# Altium PCB HIVE_BOARD_PCB ASCII REV Project_PCB_Rev.Project_SCH_Rev.PcbDoc (part 4 of 9) (continued)
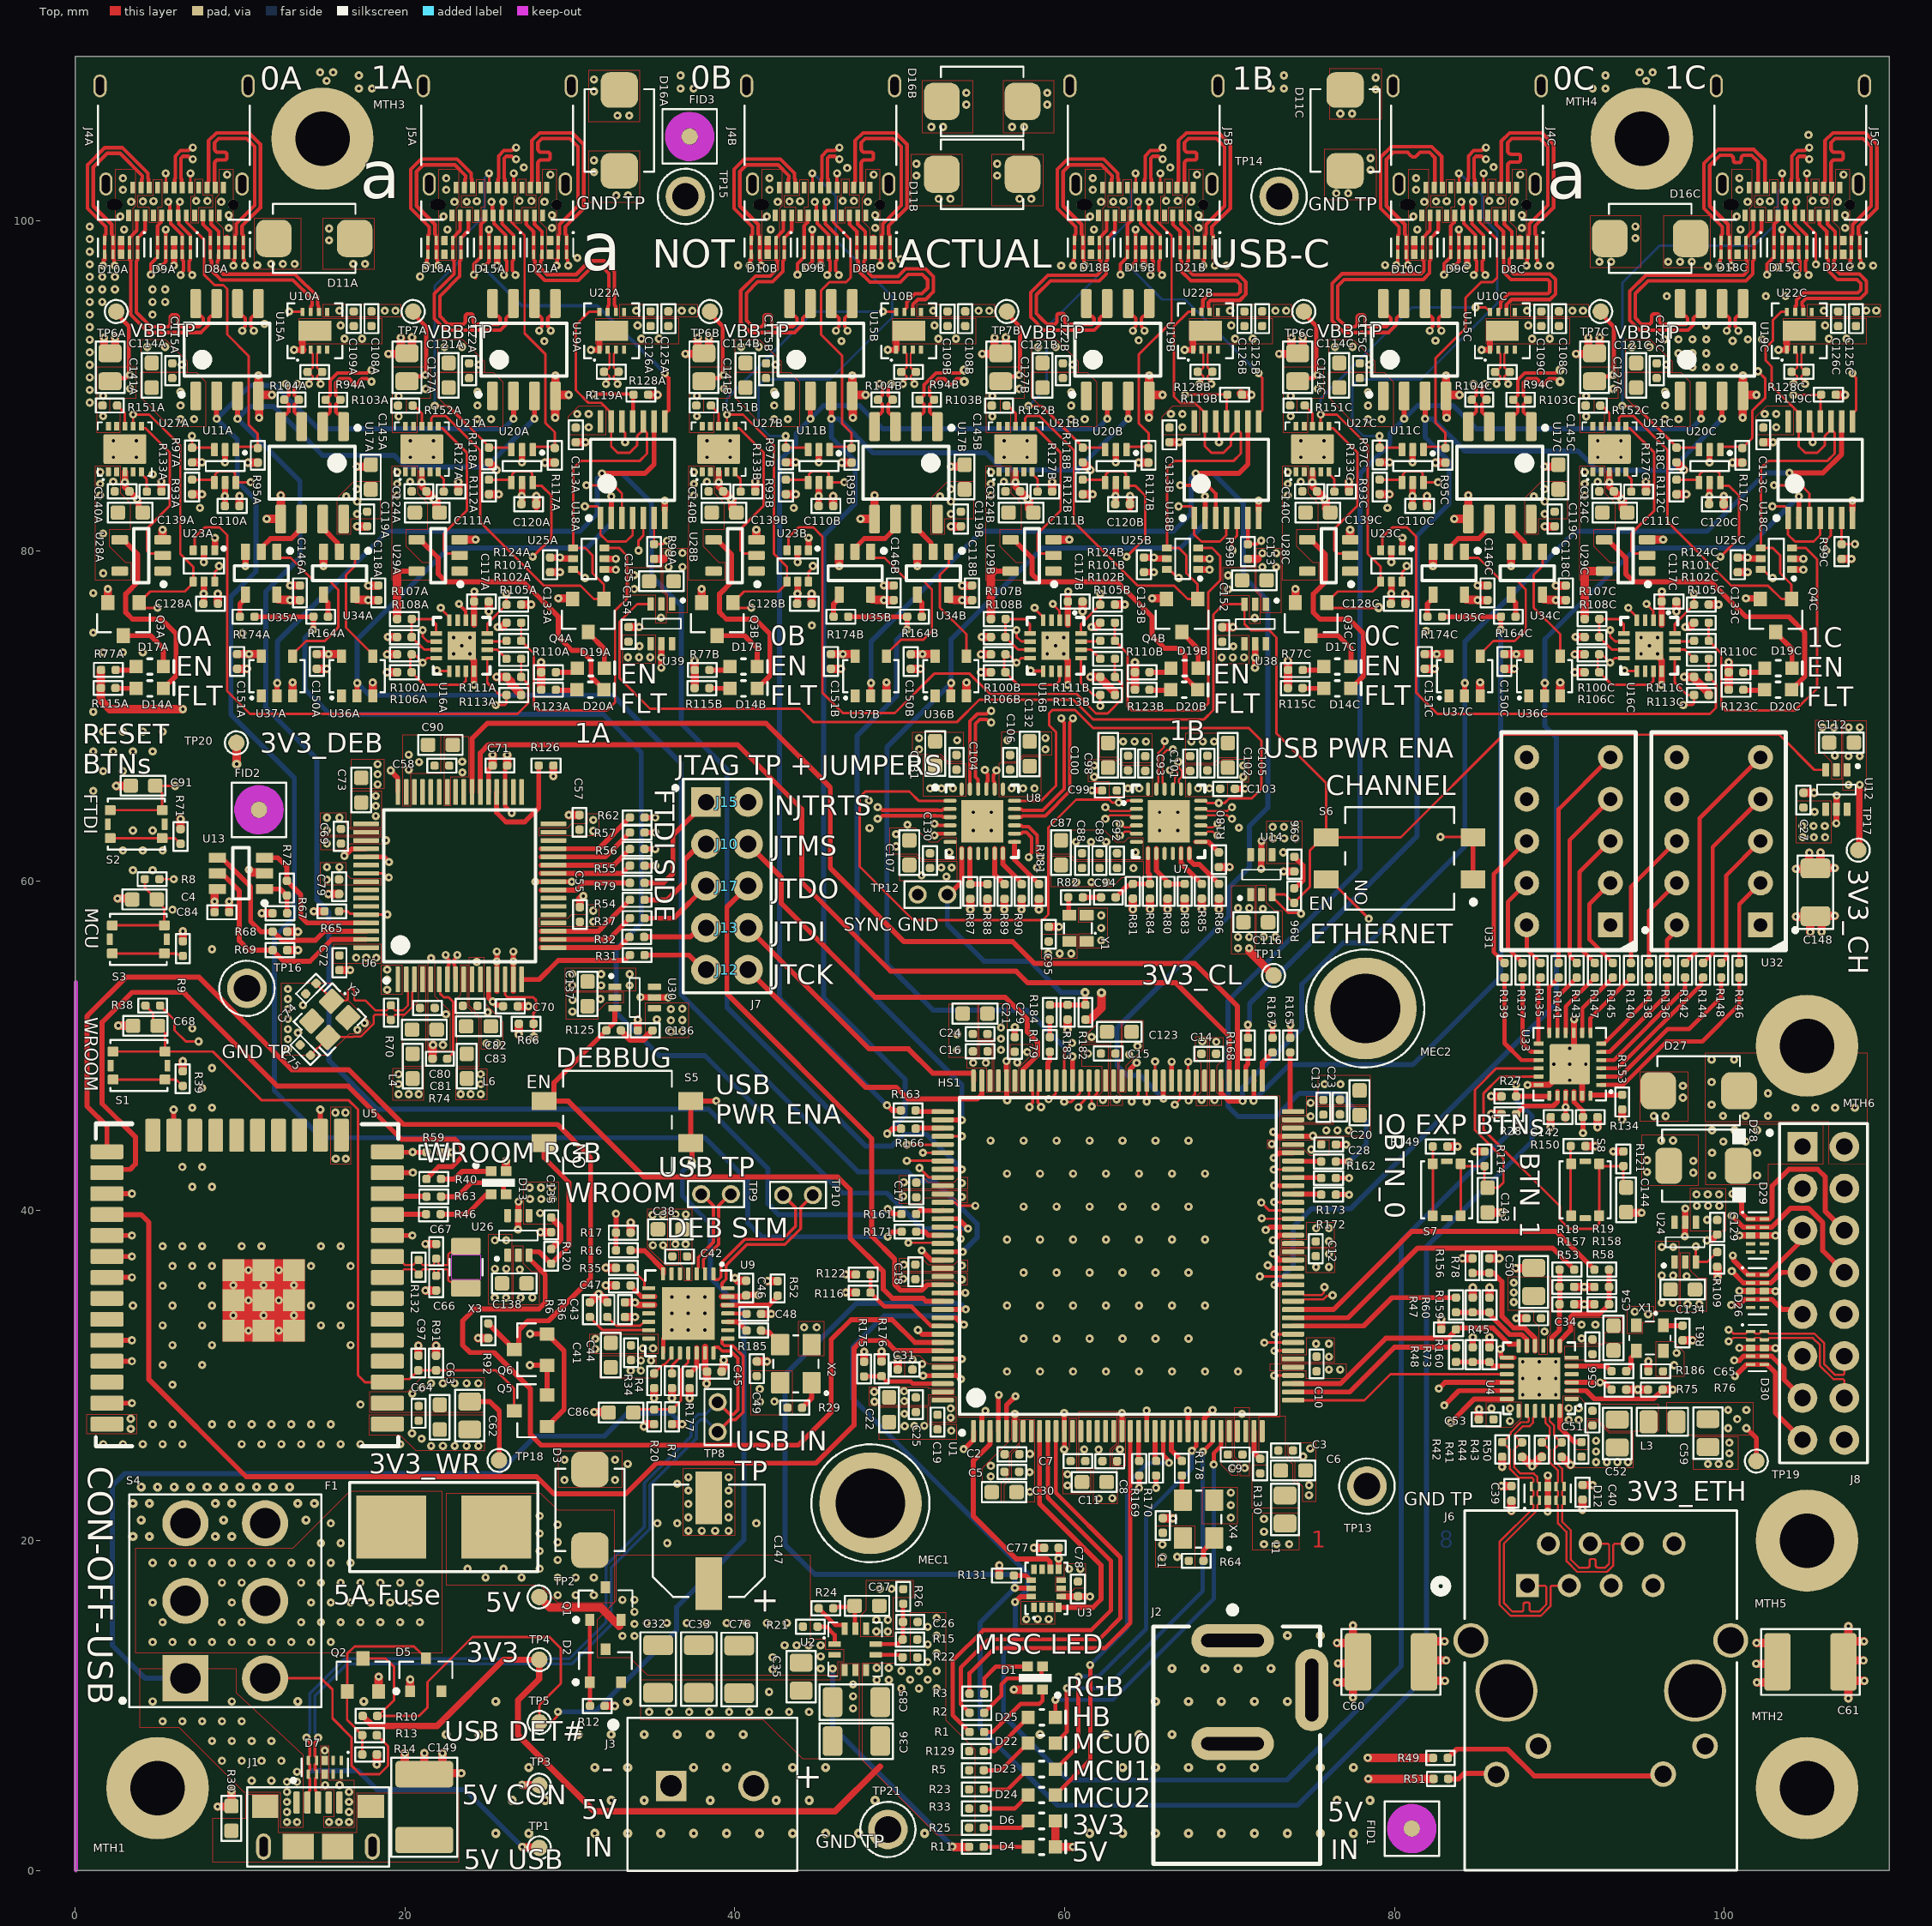
[diagram p0: Top view]
## Nets (pads, with @x,y where several pads share a name; then routed paths per layer and width w, separated by ;. In a path a pad name is that pad's centre, name@x,y a point inside that pad or via, vN(x,y) a via of type N, cw(c..) or ccw(c..) an arc to the next point about the centre after c; other vN are vias at no path point) (continued)
  Signal_1 w0.127: v1(82.837,93.359) 82.837,93.402 82.619,93.62 82.619,93.764 82.693,93.838 85.796,93.838 88.484,96.525 88.484,97.044 88.701,97.262 v1(88.701,97.305)
BB_SPI_CLK_0C_P: D8C.2 D8C.9 J4C.B11 U15C.6 | length 24.8
  Top w0.216: U15C.6@81.851,95.002 81.851,94.452 82.068,94.235 82.188,94.235 82.314,94.109 82.314,93.629 82.135,93.449 v1(82.135,93.359) ; J4C.B11@86.9,102.04 86.858,102.082 86.858,102.793 86.858,103.371 cw(c87.074,103.371) 87.074,103.587 87.493,103.587 ccw(c87.493,103.728) 87.634,103.728 87.634,103.916 ccw(c87.493,103.916) 87.493,104.057 87.074,104.057 cw(c87.074,104.273) 86.858,104.273 86.858,104.755 87.116,105.012 88.799,105.012 89.297,104.514 89.297,100.958 88.179,99.839 88.179,99.219 88.108,99.148 D8C.2@88.108,98.826 ; v1(87.999,97.305) 88.029,97.335 88.029,97.655 88.1,97.725 D8C.9@88.1,97.982 D8C.2@88.1,98.817
  Signal_1 w0.127: v1(82.135,93.359) 82.135,93.402 82.352,93.62 82.352,93.874 82.583,94.105 85.686,94.105 88.217,96.636 88.217,97.044 87.999,97.262 v1(87.999,97.305)
BB_SPI_CLK_1A_N: D21A.1 D21A.10 J5A.B10 U19A.5 | length 20.9
  Top w0.216: J5A.B10@27.6,102.04 27.642,102.082 27.642,102.357 27.693,102.408 27.693,104.875 28.173,105.355 30.141,105.355 30.84,104.656 30.84,100.775 29.721,99.656 29.721,99.219 29.8,99.14 D21A.1@29.8,98.817 D21A.10@29.8,97.982 29.8,97.725 29.871,97.654 29.871,97.335 v1(29.901,97.305) ; v1(28.837,93.359) 28.837,93.449 28.657,93.629 28.657,94.109 28.784,94.235 28.904,94.235 29.121,94.452 U19A.5@29.121,95.002
  Signal_1 w0.127: v1(28.837,93.359) 28.837,93.402 28.619,93.62 28.619,94.03 29.683,95.094 29.683,97.044 29.901,97.262 v1(29.901,97.305)
BB_SPI_CLK_1A_P: D21A.2 D21A.9 J5A.B11 U19A.6 | length 20.9
  Top w0.216: U19A.6@27.851,95.002 27.851,94.452 28.068,94.235 28.188,94.235 28.314,94.109 28.314,93.629 28.135,93.449 v1(28.135,93.359) ; J5A.B11@28.1,102.04 28.058,102.082 28.058,102.912 28.058,103.49 cw(c28.274,103.49) 28.274,103.705 28.659,103.705 ccw(c28.659,103.846) 28.8,103.846 28.8,104.034 ccw(c28.659,104.034) 28.659,104.175 28.274,104.175 cw(c28.274,104.391) 28.058,104.391 28.058,104.754 28.315,105.012 29.999,105.012 30.497,104.514 30.497,100.917 29.379,99.798 29.379,99.219 29.308,99.148 D21A.2@29.308,98.825 ; v1(29.199,97.305) 29.229,97.335 29.229,97.654 29.3,97.725 D21A.9@29.3,97.982 D21A.2@29.3,98.817
  Signal_1 w0.127: v1(28.135,93.359) 28.135,93.402 28.352,93.62 28.352,94.141 29.417,95.205 29.417,97.044 29.199,97.262 v1(29.199,97.305)
BB_SPI_CLK_1B_N: D21B.1 D21B.10 J5B.B10 U19B.5 | length 23
  Top w0.216: v1(64.837,93.359) 64.837,93.449 64.657,93.629 64.657,94.109 64.784,94.235 64.904,94.235 65.121,94.452 U19B.5@65.121,95.002 ; J5B.B10@66.8,102.04 66.842,102.082 66.842,102.357 66.893,102.409 66.893,104.875 67.374,105.355 69.341,105.355 70.04,104.656 70.04,100.776 68.922,99.657 68.922,99.219 69,99.141 69,97.726 69.071,97.655 69.071,97.336 v1(69.101,97.305)
  Signal_1 w0.127: v1(64.837,93.359) 64.837,93.402 64.619,93.62 64.619,93.764 66.07,95.215 67.309,95.215 68.883,96.79 68.883,97.044 69.101,97.262 v1(69.101,97.305)
BB_SPI_CLK_1B_P: D21B.2 D21B.9 J5B.B11 U19B.6 | length 23
  Top w0.216: U19B.6@63.851,95.002 63.851,94.452 64.068,94.235 64.188,94.235 64.314,94.109 64.314,93.629 64.135,93.449 v1(64.135,93.359) ; J5B.B11@67.3,102.04 67.258,102.082 67.258,102.912 67.258,103.49 cw(c67.474,103.49) 67.474,103.706 67.859,103.706 ccw(c67.859,103.847) 68,103.847 68,104.035 ccw(c67.859,104.035) 67.859,104.176 67.474,104.176 cw(c67.474,104.392) 67.258,104.392 67.258,104.755 67.516,105.012 69.199,105.012 69.697,104.514 69.697,100.918 68.579,99.799 68.579,99.219 68.508,99.149 D21B.2@68.508,98.826 ; v1(68.399,97.305) 68.429,97.336 68.429,97.655 68.5,97.726 D21B.2@68.5,98.817
  Signal_1 w0.127: v1(64.135,93.359) 64.135,93.402 64.352,93.62 64.352,93.874 65.96,95.482 67.198,95.482 68.617,96.9 68.617,97.044 68.399,97.262 v1(68.399,97.305)
BB_SPI_CLK_1C_N: D21C.1 D21C.10 J5C.B10 U19C.5 | length 26.2
  Top w0.216: v1(100.837,93.359) 100.837,93.449 100.657,93.629 100.657,94.109 100.784,94.235 100.904,94.235 101.121,94.452 U19C.5@101.121,95.002 ; J5C.B10@106,102.04 106.042,102.082 106.042,102.357 106.093,102.408 106.093,104.875 106.574,105.355 108.541,105.355 109.24,104.656 109.24,100.775 108.122,99.657 108.122,99.219 108.2,99.141 108.2,97.725 108.271,97.655 108.271,97.335 v1(108.301,97.305)
  Signal_1 w0.127: v1(100.837,93.359) 100.837,93.402 100.619,93.62 100.619,93.764 100.693,93.838 103.824,93.838 106.422,96.436 107.73,96.436 108.084,96.79 108.084,97.044 108.301,97.262 v1(108.301,97.305)
BB_SPI_CLK_1C_P: D21C.2 D21C.9 J5C.B11 U19C.6 | length 26.2
  Top w0.216: U19C.6@99.851,95.002 99.851,94.452 100.068,94.235 100.188,94.235 100.314,94.109 100.314,93.629 100.135,93.449 v1(100.135,93.359) ; J5C.B11@106.5,102.04 106.458,102.082 106.458,102.912 106.458,103.49 cw(c106.674,103.49) 106.674,103.706 107.059,103.706 ccw(c107.059,103.847) 107.2,103.847 107.2,104.034 ccw(c107.059,104.034) 107.059,104.175 106.674,104.175 cw(c106.674,104.391) 106.458,104.391 106.458,104.755 106.716,105.012 108.399,105.012 108.898,104.514 108.898,100.917 107.779,99.799 107.779,99.219 107.708,99.148 D21C.2@107.708,98.826 ; v1(107.599,97.305) 107.629,97.335 107.629,97.655 107.7,97.725 D21C.2@107.7,98.817
  Signal_1 w0.127: v1(100.135,93.359) 100.135,93.402 100.352,93.62 100.352,93.874 100.583,94.105 103.713,94.105 106.311,96.703 107.62,96.703 107.817,96.9 107.817,97.044 107.599,97.262 v1(107.599,97.305)
BB_SPI_MISO_0A_N: D9A.2 D9A.9 J4A.A7 J4A.B7 R104A.1 U17A.4 | length 33.5
  Top w0.216: v1(5.649,101.168) 5.649,101.078 5.75,100.977 J4A.A7@5.75,100.34 5.79,100.299 5.79,99.854 6.492,99.153 6.492,98.825 D9A.2@6.5,98.817 D9A.9@6.5,97.982 6.508,97.975 6.508,97.652 6.578,97.581 6.578,97.234 6.578,96.999 6.399,96.82 v1(6.399,96.729) ; J4A.B7@6.5,102.04 6.458,102.082 6.458,102.54 6.421,102.576 6.421,103.575 6.416,103.58 6.416,103.808 6.543,103.934 6.872,103.934 7.051,103.754 v1(7.142,103.754) ; U17A.4@12.47,87.542 12.47,88.092 12.687,88.309 12.807,88.309 12.954,88.456 12.954,88.902 R104A.1@12.681,89.174 12.954,89.447 12.954,89.867 12.775,90.046 v1(12.775,90.137)
  Signal_1 w0.127: v1(5.649,101.168) 5.649,101.211 5.866,101.429 5.866,102.221 6.058,102.413 6.058,106.637 6.343,106.922 7.917,106.922 8.166,106.673 8.166,104.481 7.657,103.972 7.403,103.972 7.185,103.754 v1(7.142,103.754) ; v1(6.399,96.729) 6.399,96.686 6.616,96.468 6.616,93.669 8.129,92.157 11.413,92.157 12.993,90.577 12.993,90.423 12.775,90.205 v1(12.775,90.137)
BB_SPI_MISO_0A_P: D9A.1 D9A.10 J4A.A6 J4A.B6 R104A.2 U17A.3 | length 33.5
  Top w0.216: J4A.B6@6,102.04 6.042,102.082 6.042,102.54 6.078,102.576 6.078,103.294 6.074,103.299 6.074,103.95 6.401,104.277 6.872,104.277 7.051,104.457 v1(7.142,104.457) ; v1(6.351,101.168) 6.351,101.078 6.25,100.977 J4A.A6@6.25,100.34 6.291,100.298 6.291,99.838 7,99.13 D9A.1@7,98.817 D9A.10@7,97.982 6.992,97.975 6.992,97.652 6.921,97.581 6.921,97.376 6.921,96.999 v1@7.101,96.82 ; v1(13.477,90.137) 13.477,90.046 13.297,89.867 13.297,89.447 13.57,89.174 13.297,88.902 13.297,88.435 13.424,88.309 13.523,88.309 13.74,88.092 U17A.3@13.74,87.542
  Signal_1 w0.127: v1(6.351,101.168) 6.351,101.211 6.133,101.429 6.133,102.111 6.325,102.302 6.325,106.527 6.453,106.656 7.806,106.656 7.899,106.563 7.899,106.015 7.899,105.571 cw(c7.772,105.571) 7.772,105.444 7.471,105.444 ccw(c7.471,105.329) 7.357,105.329 7.357,105.177 ccw(c7.471,105.177) 7.471,105.063 7.772,105.063 cw(c7.772,104.936) 7.899,104.936 7.899,104.591 7.547,104.239 7.403,104.239 7.185,104.457 v1(7.142,104.457) ; v1(7.101,96.729) 7.101,96.686 6.883,96.468 6.883,93.779 8.239,92.423 11.524,92.423 13.259,90.688 13.259,90.398 13.477,90.18 v1(13.477,90.137)
BB_SPI_MISO_0B_N: D9B.2 D9B.9 J4B.A7 J4B.B7 R104B.1 U17B.4 | length 31.2
  Top w0.216: v1(44.849,101.169) 44.849,101.078 44.95,100.977 J4B.A7@44.95,100.34 44.991,100.299 44.991,99.855 45.692,99.153 45.692,98.826 D9B.2@45.7,98.817 45.7,97.983 45.708,97.975 45.708,97.652 45.778,97.581 45.778,97.234 45.778,97 45.599,96.82 v1(45.599,96.729) ; J4B.B7@45.7,102.04 45.658,102.082 45.658,102.54 45.621,102.577 45.621,103.576 45.617,103.58 45.617,103.808 45.743,103.934 46.072,103.934 46.251,103.755 v1(46.342,103.755) ; U17B.4@48.47,87.542 48.47,88.092 48.687,88.309 48.807,88.309 48.954,88.456 48.954,88.902 R104B.1@48.681,89.174 48.954,89.447 48.954,89.867 48.775,90.046 v1(48.775,90.137)
  Signal_1 w0.127: v1(44.849,101.169) 44.849,101.212 45.067,101.429 45.067,102.222 45.258,102.413 45.258,106.133 45.754,106.629 46.863,106.629 47.366,106.126 47.366,104.481 46.857,103.973 46.603,103.973 46.385,103.755 v1(46.342,103.755) ; v1(45.599,96.729) 45.599,96.686 45.816,96.469 45.816,95.567 44.831,94.581 44.831,93.152 46.03,91.953 47.617,91.953 48.993,90.577 48.993,90.423 48.775,90.205 v1(48.775,90.137)
BB_SPI_MISO_0B_P: D9B.1 D9B.10 J4B.A6 J4B.B6 R104B.2 U17B.3 | length 31.2
  Top w0.216: J4B.B6@45.2,102.04 45.242,102.082 45.242,102.54 45.278,102.577 45.278,103.294 45.274,103.299 45.274,103.95 45.601,104.277 46.072,104.277 46.251,104.457 v1(46.342,104.457) ; v1(45.551,101.169) 45.551,101.078 45.45,100.977 J4B.A6@45.45,100.34 45.492,100.298 45.492,99.838 46.2,99.13 D9B.1@46.2,98.817 46.2,97.983 46.192,97.975 46.192,97.652 46.121,97.581 46.121,97.377 46.121,97 v1@46.301,96.82 ; v1(49.477,90.137) 49.477,90.046 49.297,89.867 49.297,89.447 R104B.2@49.57,89.174 49.297,88.902 49.297,88.435 49.424,88.309 49.523,88.309 49.74,88.092 U17B.3@49.74,87.542
  Signal_1 w0.127: v1(45.551,101.169) 45.551,101.212 45.333,101.429 45.333,102.111 45.525,102.303 45.525,106.023 45.865,106.362 46.753,106.362 47.1,106.015 47.1,105.571 cw(c46.973,105.571) 46.973,105.444 46.671,105.444 ccw(c46.671,105.33) 46.557,105.33 46.557,105.177 ccw(c46.671,105.177) 46.671,105.063 46.973,105.063 cw(c46.973,104.936) 47.1,104.936 47.1,104.592 46.747,104.239 46.603,104.239 46.385,104.457 v1(46.342,104.457) ; v1(46.301,96.729) 46.301,96.686 46.083,96.469 46.083,95.456 45.098,94.471 45.098,93.262 46.14,92.219 47.728,92.219 49.259,90.688 49.259,90.423 49.477,90.205 v1(49.477,90.137)
BB_SPI_MISO_0C_N: D9C.2 D9C.9 J4C.A7 J4C.B7 R104C.1 U17C.4 | length 34.5
  Top w0.216: v1(84.049,101.168) 84.049,101.078 84.15,100.977 J4C.A7@84.15,100.34 84.191,100.299 84.191,99.854 84.892,99.153 84.892,98.826 D9C.2@84.9,98.817 D9C.9@84.9,97.982 84.908,97.975 84.908,97.652 84.978,97.581 84.978,97.234 84.978,96.999 84.799,96.82 v1(84.799,96.729) ; U17C.4@84.47,87.542 84.47,88.092 84.687,88.309 84.807,88.309 84.954,88.456 84.954,88.902 R104C.1@84.681,89.174 84.954,89.447 84.954,89.867 84.775,90.046 v1(84.775,90.137) ; J4C.B7@84.9,102.04 84.858,102.082 84.858,102.54 84.821,102.576 84.821,103.575 84.817,103.58 84.817,103.808 84.943,103.934 85.272,103.934 85.452,103.754 v1(85.542,103.754)
  Signal_1 w0.127: v1(84.049,101.168) 84.049,101.211 84.267,101.429 84.267,102.221 84.458,102.413 84.458,106.637 84.743,106.922 86.317,106.922 86.566,106.673 86.566,104.481 86.058,103.972 85.803,103.972 85.585,103.754 v1(85.542,103.754) ; v1(84.775,90.137) 84.775,90.205 84.993,90.423 84.993,90.577 83.744,91.826 81.897,91.826 81.121,92.602 81.121,94.503 82.126,95.508 84.2,95.508 85.017,96.324 85.017,96.468 84.799,96.686 v1(84.799,96.729)
BB_SPI_MISO_0C_P: D9C.1 D9C.10 J4C.A6 J4C.B6 R104C.2 U17C.3 | length 34.5
  Top w0.216: J4C.B6@84.4,102.04 84.442,102.082 84.442,102.54 84.479,102.576 84.479,103.294 84.474,103.299 84.474,103.95 84.801,104.277 85.272,104.277 85.452,104.457 v1(85.542,104.457) ; v1(84.751,101.168) 84.751,101.078 84.65,100.977 J4C.A6@84.65,100.34 84.692,100.298 84.692,99.838 85.4,99.13 D9C.10@85.4,97.982 85.392,97.975 85.392,97.652 85.321,97.581 85.321,97.376 85.321,96.999 v1@85.501,96.82 ; v1(85.477,90.137) 85.477,90.046 85.297,89.867 85.297,89.447 R104C.2@85.57,89.174 85.297,88.902 85.297,88.435 85.424,88.309 85.523,88.309 85.74,88.092 U17C.3@85.74,87.542
  Signal_1 w0.127: v1(84.751,101.168) 84.751,101.211 84.533,101.429 84.533,102.111 84.725,102.302 84.725,106.527 84.854,106.656 86.207,106.656 86.3,106.563 86.3,106.116 86.3,105.672 cw(c86.173,105.672) 86.173,105.545 85.871,105.545 ccw(c85.871,105.431) 85.757,105.431 85.757,105.278 ccw(c85.871,105.278) 85.871,105.164 86.173,105.164 cw(c86.173,105.037) 86.3,105.037 86.3,104.592 85.947,104.239 85.803,104.239 85.585,104.457 v1(85.542,104.457) ; v1(85.477,90.137) 85.477,90.205 85.259,90.423 85.259,90.688 83.855,92.092 82.008,92.092 81.388,92.712 81.388,94.392 82.237,95.241 84.311,95.241 85.283,96.214 85.283,96.468 85.501,96.686 v1(85.501,96.729)
BB_SPI_MISO_1A_N: D15A.2 D15A.9 J5A.A7 J5A.B7 R103A.2 U17A.1 | length 40.9
  Top w0.216: R103A.2@16.085,89.165 15.816,88.896 15.816,88.435 15.943,88.309 16.063,88.309 16.28,88.092 U17A.1@16.28,87.542 ; R103A.2@16.085,89.169 15.812,89.441 15.812,90.212 16.051,90.451 16.628,90.451 16.769,90.31 16.769,90.243 16.91,90.102 17.098,90.102 17.239,90.243 17.239,90.31 17.38,90.451 17.705,90.451 17.884,90.271 v1(17.975,90.271) ; v1(25.249,101.168) 25.308,101.109 25.308,100.382 J5A.A7@25.35,100.34 J5A.A7@25.39,100.299 ; J5A.A7@25.392,100.298 J5A.A7@25.39,100.299 ; v1(25.999,96.729) 25.999,96.82 26.178,96.999 26.178,97.234 26.178,97.581 26.108,97.652 26.108,97.975 D15A.9@26.1,97.982 ; 26.1,97.66 D15A.9@26.1,97.982 ; J5A.B7@26.1,102.04 26.058,102.082 26.058,102.54 26.021,102.576 26.021,103.575 26.016,103.58 26.016,103.808 26.143,103.934 26.472,103.934 26.651,103.754 v1(26.742,103.754) ; J5A.A7@25.39,100.299 25.39,99.854 26.092,99.153 26.092,98.825 D15A.2@26.1,98.817 D15A.9@26.1,97.982
  Signal_1 w0.127: v1(17.975,90.271) 18.043,90.271 18.261,90.489 19.427,90.489 21.2,92.263 21.2,94.007 20.375,94.833 20.375,97.369 21.068,98.062 25.637,98.062 26.216,97.483 26.216,96.99 25.999,96.772 v1(25.999,96.729) ; v1(25.249,101.168) 25.249,101.211 25.466,101.429 25.466,102.221 25.658,102.413 25.658,105.987 26.219,106.548 27.345,106.548 27.766,106.126 27.766,104.481 27.257,103.972 27.003,103.972 26.785,103.754 v1(26.742,103.754)
BB_SPI_MISO_1A_P: D15A.1 D15A.10 J5A.A6 J5A.B6 R103A.1 U17A.2 | length 40.9
  Top w0.216: U17A.2@15.01,87.542 15.01,88.092 15.227,88.309 15.347,88.309 15.473,88.435 15.473,88.892 R103A.1@15.196,89.169 15.469,89.441 15.469,90.354 15.909,90.794 17.705,90.794 17.884,90.973 v1(17.975,90.973) ; J5A.B6@25.6,102.04 25.642,102.082 25.642,102.54 25.678,102.576 25.678,103.294 25.674,103.299 25.674,103.95 26.001,104.277 26.472,104.277 26.651,104.457 v1(26.742,104.457) ; v1(25.951,101.168) 25.892,101.109 25.892,100.382 J5A.A6@25.85,100.34 25.891,100.298 25.891,99.838 26.6,99.13 D15A.10@26.6,97.982 ; 26.6,97.652 D15A.10@26.6,97.982 ; v1@26.701,96.82 26.521,96.999 26.521,97.376 26.521,97.581 26.592,97.652 26.592,97.975 D15A.10@26.6,97.982
  Signal_1 w0.127: v1(17.975,90.973) 18.043,90.973 18.261,90.756 19.316,90.756 20.934,92.373 20.934,93.897 20.108,94.722 20.108,97.479 20.958,98.329 25.747,98.329 26.483,97.593 26.483,96.99 26.701,96.772 v1(26.701,96.729) ; v1(25.951,101.168) 25.951,101.211 25.733,101.429 25.733,102.111 25.925,102.302 25.925,105.876 26.329,106.281 27.234,106.281 27.5,106.016 27.5,105.571 27.385,105.457 27.384,105.457 27.269,105.343 27.269,105.19 27.384,105.076 27.385,105.076 27.5,104.962 27.5,104.591 27.147,104.239 27.003,104.239 26.785,104.457 v1(26.742,104.457)
BB_SPI_MISO_1B_N: D15B.2 D15B.9 J5B.A7 J5B.B7 R103B.2 U17B.1 | length 42.5
  Top w0.216: R103B.2@52.085,89.165 51.816,88.896 51.816,88.435 51.943,88.309 52.063,88.309 52.28,88.092 U17B.1@52.28,87.542 ; R103B.2@52.085,89.169 51.812,89.441 51.812,89.932 52.125,90.245 52.331,90.451 52.703,90.451 52.844,90.31 52.844,90.243 52.985,90.102 53.173,90.102 53.314,90.243 53.314,90.31 53.455,90.451 53.644,90.451 53.824,90.271 v2(53.914,90.271) ; v1(64.449,101.169) 64.508,101.109 64.508,100.382 J5B.A7@64.55,100.34 J5B.A7@64.591,100.299 ; J5B.A7@64.592,100.298 J5B.A7@64.591,100.299 ; v1(65.199,96.729) 65.199,96.82 65.378,97 65.378,97.234 65.378,97.581 65.308,97.652 65.308,97.975 D15B.9@65.3,97.983 ; 65.3,97.66 D15B.9@65.3,97.983 ; J5B.B7@65.3,102.04 65.258,102.082 65.258,102.54 65.221,102.577 65.221,103.576 65.217,103.58 65.217,103.808 65.343,103.934 65.672,103.934 65.851,103.755 v1(65.942,103.755) ; J5B.A7@64.591,100.299 64.591,99.855 65.292,99.153 65.292,98.826 D15B.2@65.3,98.817 D15B.9@65.3,97.983
  Signal_1 w0.127: v2(53.914,90.271) 53.982,90.271 54.2,90.489 54.465,90.489 55.728,90.489 57.367,92.128 57.367,95.659 60.458,98.75 64.324,98.75 65.416,97.658 65.416,96.99 65.199,96.773 v1(65.199,96.729) ; v1(64.449,101.169) 64.449,101.212 64.667,101.429 64.667,102.222 64.858,102.413 64.858,105.987 65.419,106.548 66.545,106.548 66.966,106.127 66.966,104.481 66.457,103.973 66.203,103.973 65.985,103.755 v1(65.942,103.755)
BB_SPI_MISO_1B_P: D15B.1 D15B.10 J5B.A6 J5B.B6 R103B.1 U17B.2 | length 42.5
  Top w0.216: U17B.2@51.01,87.542 51.01,88.092 51.227,88.309 51.347,88.309 51.473,88.435 51.473,88.892 R103B.1@51.196,89.169 51.469,89.441 51.469,90.074 52.189,90.794 53.644,90.794 53.824,90.973 v2(53.914,90.973) ; J5B.B6@64.8,102.04 64.842,102.082 64.842,102.54 64.878,102.577 64.878,103.294 64.874,103.299 64.874,103.95 65.201,104.277 65.672,104.277 65.851,104.457 v1(65.942,104.457) ; v1(65.151,101.169) 65.092,101.109 65.092,100.382 J5B.A6@65.05,100.34 65.092,100.298 65.092,99.838 65.8,99.13 D15B.10@65.8,97.983 ; 65.8,97.653 D15B.10@65.8,97.983 ; v1@65.901,96.82 65.721,97 65.721,97.377 65.721,97.581 65.792,97.652 65.792,97.975 D15B.10@65.8,97.983
  Signal_1 w0.127: v2(53.914,90.973) 53.982,90.973 54.2,90.756 55.617,90.756 57.1,92.238 57.1,95.769 60.348,99.017 64.435,99.017 65.683,97.768 65.683,96.99 65.901,96.773 v1(65.901,96.729) ; v1(65.151,101.169) 65.151,101.212 64.933,101.429 64.933,102.111 65.125,102.303 65.125,105.877 65.529,106.282 66.434,106.282 66.7,106.016 66.7,105.572 66.585,105.457 66.584,105.457 66.47,105.343 66.47,105.191 66.584,105.076 66.585,105.076 66.7,104.962 66.7,104.592 66.347,104.239 66.203,104.239 65.985,104.457 v1(65.942,104.457)
BB_SPI_MISO_1C_N: D15C.2 D15C.9 J5C.A7 J5C.B7 R103C.2 U17C.1 | length 45.9
  Top w0.216: R103C.2@88.085,89.165 87.816,88.896 87.816,88.435 87.943,88.309 88.063,88.309 88.28,88.092 U17C.1@88.28,87.542 ; R103C.2@88.085,89.169 87.812,89.441 87.812,90.224 88.039,90.451 88.617,90.451 88.758,90.31 88.758,90.243 88.899,90.102 89.086,90.102 89.227,90.243 89.227,90.31 89.368,90.451 89.481,90.451 89.77,90.451 89.95,90.271 v2(90.041,90.271) ; v1(103.649,101.168) 103.708,101.109 103.708,100.382 J5C.A7@103.75,100.34 J5C.A7@103.791,100.299 ; J5C.A7@103.792,100.298 J5C.A7@103.791,100.299 ; v1(104.399,96.729) 104.399,96.82 104.578,96.999 104.578,97.234 104.578,97.581 104.508,97.652 104.508,97.975 D15C.9@104.5,97.982 ; 104.5,97.66 D15C.9@104.5,97.982 ; J5C.B7@104.5,102.04 104.458,102.082 104.458,102.54 104.421,102.576 104.421,103.575 104.417,103.58 104.417,103.808 104.543,103.934 104.872,103.934 105.052,103.754 v1(105.142,103.754) ; J5C.A7@103.791,100.299 103.791,99.854 104.492,99.153 104.492,98.826 D15C.2@104.5,98.817 D15C.9@104.5,97.982
  Signal_1 w0.127: v2(90.041,90.271) 90.109,90.271 90.327,90.489 91.545,90.489 93.531,92.474 93.531,96.249 95.727,98.445 104.084,98.445 104.617,97.912 104.617,96.99 104.399,96.772 v1(104.399,96.729) ; v1(103.649,101.168) 103.649,101.211 103.867,101.429 103.867,102.221 104.058,102.413 104.058,105.987 104.619,106.548 105.745,106.548 106.166,106.126 106.166,104.481 105.658,103.972 105.403,103.972 105.185,103.754 v1(105.142,103.754)
BB_SPI_MISO_1C_P: D15C.1 D15C.10 J5C.A6 J5C.B6 R103C.1 U17C.2 | length 45.9
  Top w0.216: U17C.2@87.01,87.542 87.01,88.092 87.227,88.309 87.347,88.309 87.473,88.435 87.473,88.892 R103C.1@87.196,89.169 87.469,89.441 87.469,90.366 87.897,90.794 89.77,90.794 89.95,90.973 v2(90.041,90.973) ; J5C.B6@104,102.04 104.042,102.082 104.042,102.54 104.079,102.576 104.079,103.294 104.074,103.299 104.074,103.95 104.401,104.277 104.872,104.277 105.052,104.457 v1(105.142,104.457) ; v1(104.351,101.168) 104.292,101.109 104.292,100.382 J5C.A6@104.25,100.34 104.292,100.298 104.292,99.838 105,99.13 D15C.10@105,97.982 ; 105,97.652 D15C.10@105,97.982 ; v1@105.101,96.82 104.921,96.999 104.921,97.376 104.921,97.581 104.992,97.652 104.992,97.975 D15C.10@105,97.982
  Signal_1 w0.127: v2(90.041,90.973) 90.109,90.973 90.327,90.756 91.435,90.756 93.264,92.585 93.264,96.36 95.616,98.712 104.194,98.712 104.883,98.023 104.883,96.99 105.101,96.772 v1(105.101,96.729) ; v1(104.351,101.168) 104.351,101.211 104.133,101.429 104.133,102.111 104.325,102.302 104.325,105.877 104.729,106.281 105.634,106.281 105.9,106.016 105.9,105.571 105.785,105.457 105.784,105.457 105.67,105.343 105.67,105.19 105.784,105.076 105.785,105.076 105.9,104.962 105.9,104.592 105.547,104.239 105.403,104.239 105.185,104.457 v1(105.142,104.457)
BB_SPI_MOSI_0A_N: D10A.1 D10A.10 J4A.A10 U15A.8 | length 13.2
  Top w0.216: J4A.A10@4.25,100.34 4.25,99.434 3.8,98.984 D10A.1@3.8,98.817 D10A.10@3.8,97.982 3.792,97.975 3.792,97.652 3.721,97.581 3.721,94.471 4.6,93.593 4.8,93.593 5.568,93.593 ccw(c5.568,93.809) 5.784,93.809 5.784,94.173 cw(c5.925,94.173) 5.925,94.314 6.113,94.314 cw(c6.113,94.173) 6.254,94.173 6.254,93.809 ccw(c6.47,93.809) 6.47,93.593 7.048,93.593 7.502,93.593 7.774,93.865 7.774,94.109 7.648,94.235 7.528,94.235 7.311,94.452 U15A.8@7.311,95.002
BB_SPI_MOSI_0A_P: D10A.2 D10A.9 J4A.A11 U15A.7 | length 13.2
  Top w0.216: J4A.A11@3.75,100.34 3.75,99.434 3.3,98.984 D10A.2@3.3,98.817 D10A.9@3.3,97.982 3.308,97.975 3.308,97.652 3.379,97.581 3.379,94.329 4.458,93.25 7.644,93.25 8.117,93.723 8.117,94.109 8.244,94.235 8.364,94.235 8.581,94.452 U15A.7@8.581,95.002
BB_SPI_MOSI_0B_N: D10B.1 D10B.10 J4B.A10 U15B.8 | length 13.9
  Top w0.216: U15B.8@43.311,95.002 43.311,94.452 43.528,94.235 43.648,94.235 43.774,94.109 43.774,93.865 43.502,93.593 43.028,93.593 42.45,93.593 cw(c42.45,93.809) 42.234,93.809 42.234,94.173 ccw(c42.093,94.173) 42.093,94.314 41.905,94.314 ccw(c41.905,94.173) 41.764,94.173 41.764,93.809 cw(c41.549,93.809) 41.549,93.593 41.087,93.593 40.701,93.979 40.701,95.632 41.39,96.321 42.289,96.321 42.922,96.953 42.922,97.581 42.992,97.652 42.992,97.975 43,97.983 43,98.984 43.45,99.434 J4B.A10@43.45,100.34
BB_SPI_MOSI_0B_P: D10B.2 D10B.9 J4B.A11 U15B.7 | length 13.9
  Top w0.216: J4B.A11@42.95,100.34 42.95,99.434 42.5,98.984 42.5,97.983 42.508,97.975 42.508,97.652 42.579,97.581 42.579,97.095 42.147,96.663 41.248,96.663 40.358,95.774 40.358,93.837 40.945,93.25 43.644,93.25 44.117,93.723 44.117,94.109 44.244,94.235 44.364,94.235 44.581,94.452 U15B.7@44.581,95.002
BB_SPI_MOSI_0C_N: D10C.1 D10C.10 J4C.A10 U15C.8 | length 17.6
  Top w0.216: U15C.8@79.311,95.002 79.311,94.452 79.528,94.235 79.648,94.235 79.774,94.109 79.774,93.865 79.502,93.593 79.002,93.593 78.425,93.593 cw(c78.425,93.809) 78.209,93.809 78.209,94.173 ccw(c78.068,94.173) 78.068,94.314 77.88,94.314 ccw(c77.88,94.173) 77.739,94.173 77.739,93.809 cw(c77.523,93.809) 77.523,93.593 77.065,93.593 76.562,94.096 76.562,96.075 76.953,96.466 81.74,96.466 82.122,96.848 82.122,97.581 82.192,97.652 82.192,97.975 D10C.10@82.2,97.982 82.2,98.984 82.65,99.434 J4C.A10@82.65,100.34
BB_SPI_MOSI_0C_P: D10C.2 D10C.9 J4C.A11 U15C.7 | length 17.6
  Top w0.216: U15C.7@80.581,95.002 80.581,94.452 80.364,94.235 80.244,94.235 80.117,94.109 80.117,93.723 79.644,93.25 76.923,93.25 76.219,93.954 76.219,96.217 76.811,96.809 81.598,96.809 81.779,96.99 81.779,97.581 81.708,97.652 81.708,97.975 D10C.9@81.7,97.982 81.7,98.984 82.15,99.434 J4C.A11@82.15,100.34
BB_SPI_MOSI_1A_N: D18A.1 D18A.10 J5A.A10 U19A.8 | length 12.9
  Top w0.216: D18A.1@23.392,98.825 D18A.1@23.4,98.817 D18A.10@23.4,97.982 23.392,97.975 23.392,97.652 23.321,97.581 23.321,96.655 22.116,95.45 22.116,94.239 22.617,93.739 22.801,93.739 23.452,93.739 ccw(c23.452,93.954) 23.668,93.954 23.668,94.23 cw(c23.809,94.23) 23.809,94.371 23.997,94.371 cw(c23.997,94.23) 24.138,94.23 24.138,93.954 ccw(c24.354,93.954) 24.354,93.739 24.932,93.739 25.648,93.739 25.774,93.865 25.774,94.109 25.648,94.235 25.528,94.235 25.311,94.452 U19A.8@25.311,95.002 ; D18A.1@23.4,98.984 23.85,99.434 J5A.A10@23.85,100.34
BB_SPI_MOSI_1A_P: D18A.2 D18A.9 J5A.A11 U19A.7 | length 12.9
  Top w0.216: D18A.9@22.9,97.982 D18A.2@22.9,98.817 D18A.2@22.908,98.825 ; D18A.2@22.9,98.984 23.35,99.434 J5A.A11@23.35,100.34 ; D18A.9@22.908,97.808 22.908,97.652 22.979,97.581 22.979,96.797 21.773,95.592 21.773,94.097 22.475,93.396 25.79,93.396 26.117,93.723 26.117,94.109 26.244,94.235 26.364,94.235 26.581,94.452 U19A.7@26.581,95.002
BB_SPI_MOSI_1B_N: D18B.1 D18B.10 J5B.A10 U19B.8 | length 15.7
  Top w0.216: U19B.8@61.311,95.002 61.311,94.452 61.528,94.235 61.648,94.235 61.774,94.109 61.774,93.865 61.648,93.739 60.787,93.739 60.209,93.739 cw(c60.209,93.954) 59.993,93.954 59.993,94.252 ccw(c59.852,94.252) 59.852,94.393 59.664,94.393 ccw(c59.664,94.252) 59.523,94.252 59.523,93.954 cw(c59.308,93.954) 59.308,93.739 58.945,93.739 58.554,94.129 58.281,94.402 58.281,95.534 59.13,96.383 62.098,96.383 62.522,96.807 62.522,97.581 62.592,97.652 62.592,97.975 62.6,97.983 62.6,98.818 D18B.1@62.592,98.826 ; D18B.1@62.6,98.984 63.05,99.434 J5B.A10@63.05,100.34
BB_SPI_MOSI_1B_P: D18B.2 D18B.9 J5B.A11 U19B.7 | length 15.7
  Top w0.216: D18B.9@62.1,97.983 D18B.2@62.1,98.817 D18B.2@62.108,98.826 ; D18B.2@62.1,98.984 62.55,99.434 J5B.A11@62.55,100.34 ; D18B.9@62.108,97.808 62.108,97.652 62.179,97.581 62.179,96.949 61.956,96.726 58.988,96.726 57.939,95.677 57.939,94.186 58.729,93.396 61.79,93.396 62.117,93.723 62.117,94.109 62.244,94.235 62.364,94.235 62.581,94.452 U19B.7@62.581,95.002
BB_SPI_MOSI_1C_N: D18C.1 D18C.10 J5C.A10 U19C.8 | length 18.4
  Top w0.216: U19C.8@97.311,95.002 97.311,94.452 97.528,94.235 97.648,94.235 97.774,94.109 97.774,93.865 97.648,93.739 96.852,93.739 96.274,93.739 cw(c96.274,93.954) 96.059,93.954 96.059,94.23 ccw(c95.918,94.23) 95.918,94.371 95.73,94.371 ccw(c95.73,94.23) 95.589,94.23 95.589,93.954 cw(c95.373,93.954) 95.373,93.739 94.993,93.739 94.601,94.13 94.601,95.611 95.373,96.383 101.299,96.383 101.722,96.806 101.722,97.581 101.792,97.652 101.792,97.975 D18C.10@101.8,97.982 D18C.1@101.8,98.817 D18C.1@101.792,98.826 ; D18C.1@101.8,98.984 102.25,99.434 J5C.A10@102.25,100.34
BB_SPI_MOSI_1C_P: D18C.2 D18C.9 J5C.A11 U19C.7 | length 18.4
  Top w0.216: U19C.7@98.581,95.002 98.581,94.452 98.364,94.235 98.244,94.235 98.117,94.109 98.117,93.723 97.79,93.396 94.851,93.396 94.258,93.988 94.258,95.753 95.231,96.726 101.157,96.726 101.379,96.948 101.379,97.581 101.308,97.652 D18C.9@101.308,97.808 ; D18C.9@101.3,97.982 D18C.2@101.3,98.817 D18C.2@101.308,98.826 ; D18C.2@101.3,98.984 101.75,99.434 J5C.A11@101.75,100.34